# Allegro board BeagleBoard-X15_RevA2.brd (continued)
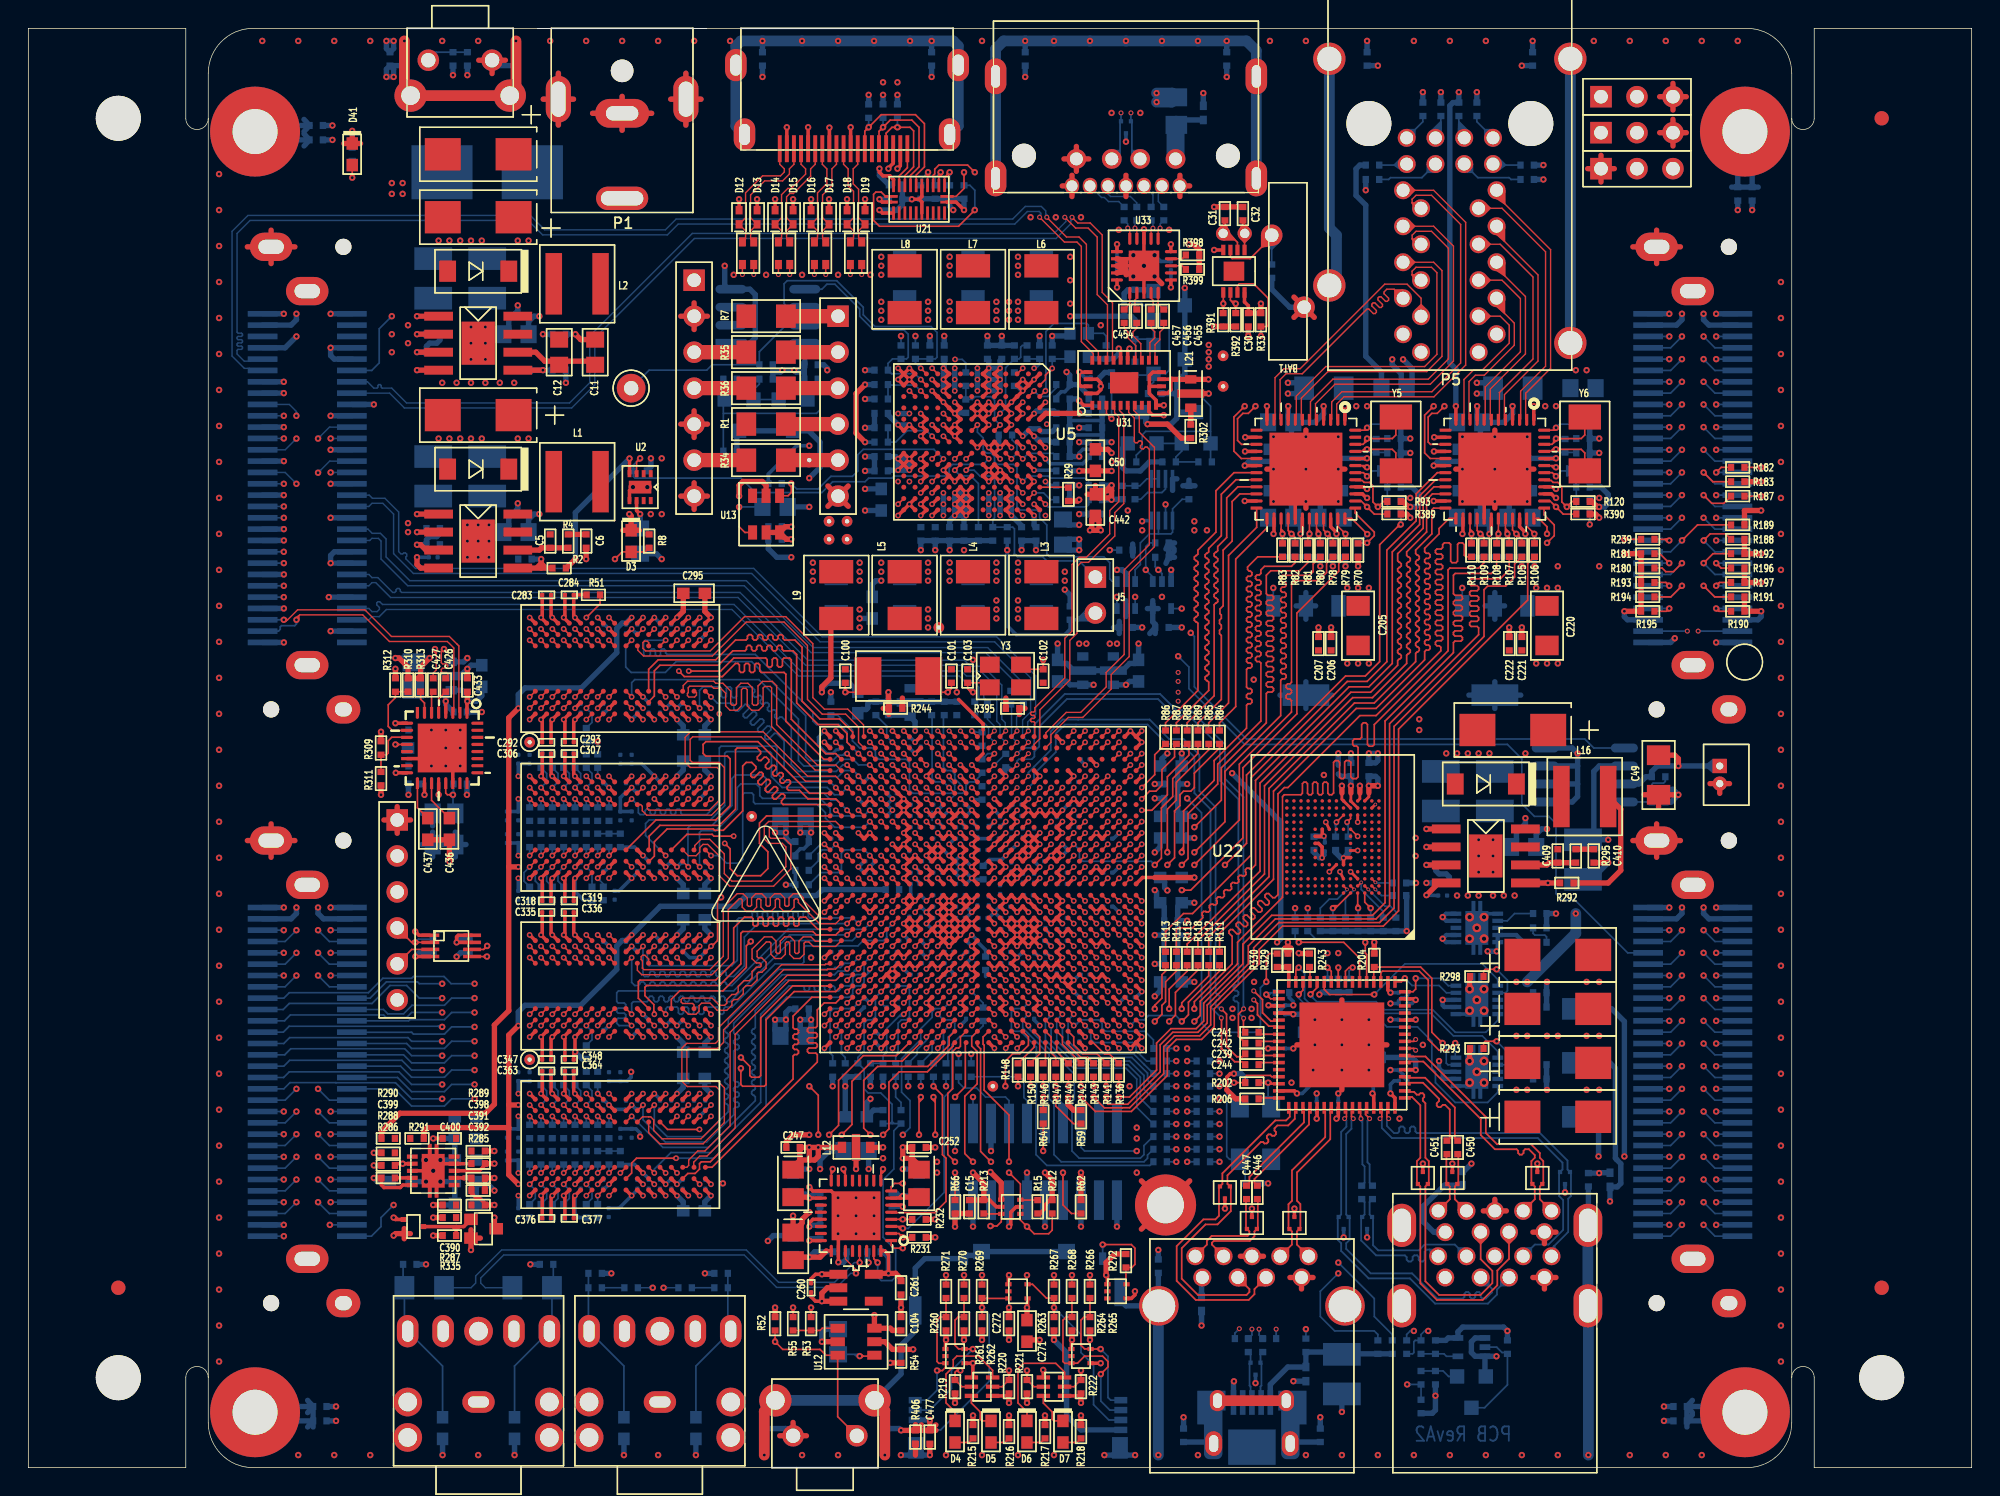
[diagram p0: board, top side]
## Footprints (pads in the part's own frame, mm; a bottom-side part is the same pattern mirrored in y, then rotated) (continued)
  oval 1.524x2.286 hole 0.787x1.499: MTG1(-7.239,-1.001) MTG2(7.239,-1.001) MTG3(-7.849,-5.9) MTG4(7.849,-5.9)
HDR2X30SMD_FX18-60P-0P8SV
  round 1.143 hole 1.143 unplated: (-16.325,-2.55) (16.325,2.55)
  rect 0.4x2.1 smd: 1(-11.6,-3.15) 2(-10.8,-3.15) 3(-10,-3.15) 4(-9.2,-3.15) 5(-8.4,-3.15) 6(-7.6,-3.15) 7(-6.8,-3.15) 8(-6,-3.15) 9(-5.2,-3.15) 10(-4.4,-3.15) 11(-3.6,-3.15) 12(-2.8,-3.15) 13(-2,-3.15) 14(-1.2,-3.15) 15(-0.4,-3.15) 16(0.4,-3.15) 17(1.2,-3.15) 18(2,-3.15) 19(2.8,-3.15) 20(3.6,-3.15) 21(4.4,-3.15) 22(5.2,-3.15) 23(6,-3.15) 24(6.8,-3.15) 25(7.6,-3.15) 26(8.4,-3.15) 27(9.2,-3.15) 28(10,-3.15) 29(10.8,-3.15) 30(11.6,-3.15) 31(-11.6,3.15) 32(-10.8,3.15) 33(-10,3.15) 34(-9.2,3.15) 35(-8.4,3.15) 36(-7.6,3.15) 37(-6.8,3.15) 38(-6,3.15) 39(-5.2,3.15) 40(-4.4,3.15) 41(-3.6,3.15) 42(-2.8,3.15) 43(-2,3.15) 44(-1.2,3.15) 45(-0.4,3.15) 46(0.4,3.15) 47(1.2,3.15) 48(2,3.15) 49(2.8,3.15) 50(3.6,3.15) 51(4.4,3.15) 52(5.2,3.15) 53(6,3.15) 54(6.8,3.15) 55(7.6,3.15) 56(8.4,3.15) 57(9.2,3.15) 58(10,3.15) 59(10.8,3.15) 60(11.6,3.15)
  oval 2x3 hole 1x1.8: A2(-16.325,2.55) B1(-13.2,0) B2(13.2,0)
  oval 2x2.4 hole 1x1.2: A3(16.325,-2.55)
HEADER10X2_SMD
  rect 0.711x2.794 smd: 1(-5.715,-2.705) 2(-5.715,2.705) 3(-4.445,-2.705) 4(-4.445,2.705) 5(-3.175,-2.705) 6(-3.175,2.705) 7(-1.905,-2.705) 8(-1.905,2.705) 9(-0.635,-2.705) 10(-0.635,2.705) 11(0.635,-2.705) 12(0.635,2.705) 13(1.905,-2.705) 14(1.905,2.705) 15(3.175,-2.705) 16(3.175,2.705) 17(4.445,-2.705) 18(4.445,2.705) 19(5.715,-2.705) 20(5.715,2.705)
IND130_160X175
  rect 1.651x2.413 smd: 1(-1.651,0) 2(1.651,0)
IND130_208X216
  rect 1.168x4.343 smd: 1(-1.651,0) 2(1.651,0)
IND_0805
  rect 1.27x1.524 smd: 1(-0.97,0) 2(0.97,0)
JACK5-472X551-SJ1-3524NG
  round 2.032 hole 1.321: (-2.5,5) (-2.5,-5) (0,5) (0,-5) (5,0)
  oval 2.286x1.524 hole 1.499x0.787: (5,2.5) 2(5,-5) 3(5,5) 4(5,-2.5)
  oval 1.524x2.286 hole 0.787x1.499: 1(0,0)
JACK_PJ-063BH
  round 1.6 hole 1.6 unplated: (0,0)
  oval 1.651x3.683 hole 1.016x2.997: 1(9,0)
  oval 2.032x3.81 hole 1.016x2.286: 2(3,0)
  oval 3.302x1.778 hole 2.489x1.016: MTG1(2,-4.5) MTG2(2,4.5)
LED_603
  rect 0.889x0.813 smd: 1(-0.762,0) 2(0.762,0)
MTGH200C102D_PL
  round 4.318 hole 2.591: 1(0,0)
MTGH250C125D_PL
  round 6.35 hole 3.175: 1(0,0)
OSC4_2P5X2P0XP5
  rect 0.9x0.8 smd: 1(-0.825,-0.65) 2(0.825,-0.65) 3(0.825,0.65) 4(-0.825,0.65)
OSC4_87-146SMD_126X197-1
  rect 1.524x1.27 smd: (-1.854,1.105) (1.854,-1.105) 1(-1.854,-1.105) 2(1.854,1.105)
QFN20S4X4P5-2
  custom 0.85x0.23 smd: 1(-1.9,1) 2(-1.9,0.5) 3(-1.9,0) 4(-1.9,-0.5) 5(-1.9,-1) 11(1.9,-1) 12(1.9,-0.5) 13(1.9,0) 14(1.9,0.5) 15(1.9,1)
  custom 0.23x0.85 smd: 6(-1,-1.9) 7(-0.5,-1.9) 8(0,-1.9) 9(0.5,-1.9) 10(1,-1.9) 16(1,1.9) 17(0.5,1.9) 18(0,1.9) 19(-0.5,1.9) 20(-1,1.9)
  rect 2.159x2.159 smd: 21(0,0)
QFN24S_2X4P4
  rect 0.95x0.2 smd: 1(-0.975,1.8) 2(-0.975,1.4) 3(-0.975,1) 4(-0.975,0.6) 5(-0.975,0.2) 6(-0.975,-0.2) 7(-0.975,-0.6) 8(-0.975,-1) 9(-0.975,-1.4) 10(-0.975,-1.8) 13(0.975,-1.8) 14(0.975,-1.4) 15(0.975,-1) 16(0.975,-0.6) 17(0.975,-0.2) 18(0.975,0.2) 19(0.975,0.6) 20(0.975,1) 21(0.975,1.4) 22(0.975,1.8)
  rect 0.2x0.95 smd: 11(-0.2,-1.975) 12(0.2,-1.975) 23(0.2,1.975) 24(-0.2,1.975)
QFN32
  custom 0.23x0.85 smd: 1(-1.75,-2.475) 2(-1.25,-2.475) 3(-0.75,-2.475) 4(-0.25,-2.475) 5(0.25,-2.475) 6(0.75,-2.475) 7(1.25,-2.475) 8(1.75,-2.475) 17(1.75,2.475) 18(1.25,2.475) 19(0.75,2.475) 20(0.25,2.475) 21(-0.25,2.475) 22(-0.75,2.475) 23(-1.25,2.475) 24(-1.75,2.475)
  custom 0.85x0.23 smd: 9(2.475,-1.75) 10(2.475,-1.25) 11(2.475,-0.75) 12(2.475,-0.25) 13(2.475,0.25) 14(2.475,0.75) 15(2.475,1.25) 16(2.475,1.75) 25(-2.475,1.75) 26(-2.475,1.25) 27(-2.475,0.75) 28(-2.475,0.25) 29(-2.475,-0.25) 30(-2.475,-0.75) 31(-2.475,-1.25) 32(-2.475,-1.75)
  rect 3.454x3.454 smd: 33(0,0)
QFN48
  custom 0.23x0.85 smd: 1(-2.75,-3.475) 2(-2.25,-3.475) 3(-1.75,-3.475) 4(-1.25,-3.475) 5(-0.75,-3.475) 6(-0.25,-3.475) 7(0.25,-3.475) 8(0.75,-3.475) 9(1.25,-3.475) 10(1.75,-3.475) 11(2.25,-3.475) 12(2.75,-3.475) 25(2.75,3.475) 26(2.25,3.475) 27(1.75,3.475) 28(1.25,3.475) 29(0.75,3.475) 30(0.25,3.475) 31(-0.25,3.475) 32(-0.75,3.475) 33(-1.25,3.475) 34(-1.75,3.475) 35(-2.25,3.475) 36(-2.75,3.475)
  custom 0.85x0.23 smd: 13(3.475,-2.75) 14(3.475,-2.25) 15(3.475,-1.75) 16(3.475,-1.25) 17(3.475,-0.75) 18(3.475,-0.25) 19(3.475,0.25) 20(3.475,0.75) 21(3.475,1.25) 22(3.475,1.75) 23(3.475,2.25) 24(3.475,2.75) 37(-3.475,2.75) 38(-3.475,2.25) 39(-3.475,1.75) 40(-3.475,1.25) 41(-3.475,0.75) 42(-3.475,0.25) 43(-3.475,-0.25) 44(-3.475,-0.75) 45(-3.475,-1.25) 46(-3.475,-1.75) 47(-3.475,-2.25) 48(-3.475,-2.75)
  rect 5.156x5.156 smd: 49(0,0)
RJ45_2X1_XFRM_LED
  round 3.175 hole 3.175 unplated: (-5.715,-16.14) (5.715,-16.14)
  round 1.27 hole 0.914: 1(-3.3,-11.43) 2(-2.03,-10.16) 3(-3.3,-8.89) 4(-2.03,-7.62) 5(-3.3,-6.35) 6(-2.03,-5.08) 7(-3.3,-3.81) 8(-2.03,-2.54) 9(-3.3,-1.27) 10(-2.03,0) 11(3.3,-11.43) 12(2.03,-10.16) 13(3.3,-8.89) 14(2.03,-7.62) 15(3.3,-6.35) 16(2.03,-5.08) 17(3.3,-3.81) 18(2.03,-2.54) 19(3.3,-1.27) 20(2.03,0) D1(3.045,-15.13) D2(1.015,-15.13) D3(-1.015,-15.13) D4(-3.045,-15.13) D5(3.045,-13.28) D6(1.015,-13.28) D7(-1.015,-13.28) D8(-3.045,-13.28)
  round 2.286 hole 1.702: SHLD1(-8.505,-20.71) SHLD2(8.505,-20.71) SHLD3(-8.505,-0.65) SHLD4(8.505,-4.71)
SC70
  rect 0.965x0.813 smd: 1(0,0) 2(0,-1.321) 3(1.778,-0.66)
SC70-5
  rect 0.406x0.762 smd: 1(-0.648,-0.953) 2(0,-0.953) 3(0.648,-0.953) 4(0.648,0.953) 5(-0.648,0.953)
SC70-6
  rect 0.406x0.762 smd: 1(-0.648,-0.953) 2(0,-0.953) 3(0.648,-0.953) 4(0.648,0.953) 5(0,0.953) 6(-0.648,0.953)
SC75
  rect 0.508x0.356 smd: 1(-0.647,0.5) 2(-0.647,-0.5) 3(0.647,0)
SD-MICRO-SCHA5B0300
  rect 0.914x0.457 smd: 1(-7.257,0) 2(-7.257,-0.7) 3(-7.257,-1.4) 4(-7.257,-2.1) 5(7.257,-2.1) 6(7.257,-1.4) 7(7.257,-0.7) 8(7.257,0)
  rect 0.508x0.889 smd: 9(3.775,9.989) 10(-5.975,9.989)
  rect 0.889x2.007 smd: 11(-7.25,7.635) 12(7.25,6.335)
  rect 1.118x1.524 smd: 13(-7.196,-3.365) 14(7.196,-3.365)
  rect 1.194x1.092 smd: 15(-3.425,10.488) 16(2.575,10.488)
SIP2
  rect 1.524x1.524 hole 0.965: 1(0,0)
  round 1.524 hole 0.965: 2(0,-2.54)
SIP3
  rect 1.524x1.524 hole 0.965: 1(0,0)
  round 1.524 hole 0.965: 2(0,-2.54) 3(0,-5.08)
SIP6
  rect 1.524x1.524 hole 0.965: 1(0,0)
  round 1.524 hole 0.965: 2(0,-2.54) 3(0,-5.08) 4(0,-7.62) 5(0,-10.16) 6(0,-12.7)
SIP7
  rect 1.524x1.524 hole 0.965: 1(0,0)
  round 1.524 hole 0.965: 2(0,-2.54) 3(0,-5.08) 4(0,-7.62) 5(0,-10.16) 6(0,-12.7) 7(0,-15.24)
SKTBGA-ZKK-6334-P760
  round 0.356 smd: A1(-10.8,10.8) A2(-10,10.8) A3(-9.2,10.8) A4(-8.4,10.8) A5(-7.6,10.8) A6(-6.8,10.8) A7(-6,10.8) A8(-5.2,10.8) A9(-4.4,10.8) A10(-3.6,10.8) A11(-2.8,10.8) A12(-2,10.8) A13(-1.2,10.8) A14(-0.4,10.8) A15(0.4,10.8) A16(1.2,10.8) A17(2,10.8) A18(2.8,10.8) A19(3.6,10.8) A20(4.4,10.8) A21(5.2,10.8) A22(6,10.8) A23(6.8,10.8) A24(7.6,10.8) A25(8.4,10.8) A26(9.2,10.8) A27(10,10.8) A28(10.8,10.8) AA1(-10.8,-5.2) AA2(-10,-5.2) AA3(-9.2,-5.2) AA4(-8.4,-5.2) AA5(-7.6,-5.2) AA6(-6.8,-5.2) AA7(-6,-5.2) AA8(-5.2,-5.2) AA9(-4.4,-5.2) AA10(-3.6,-5.2) AA11(-2.8,-5.2) AA12(-2,-5.2) AA13(-1.2,-5.2) AA14(-0.4,-5.2) AA15(0.4,-5.2) AA16(1.2,-5.2) AA17(2,-5.2) AA18(2.8,-5.2) AA19(3.6,-5.2) AA20(4.4,-5.2) AA21(5.2,-5.2) AA22(6,-5.2) AA23(6.8,-5.2) AA24(7.6,-5.2) AA25(8.4,-5.2) AA26(9.2,-5.2) AA27(10,-5.2) AA28(10.8,-5.2) AB1(-10.8,-6) AB2(-10,-6) AB3(-9.2,-6) AB4(-8.4,-6) AB5(-7.6,-6) AB6(-6.8,-6) AB7(-6,-6) AB8(-5.2,-6) AB9(-4.4,-6) AB10(-3.6,-6) AB11(-2.8,-6) AB12(-2,-6) AB13(-1.2,-6) AB14(-0.4,-6) AB15(0.4,-6) AB16(1.2,-6) AB17(2,-6) AB18(2.8,-6) AB19(3.6,-6) AB20(4.4,-6) AB21(5.2,-6) AB22(6,-6) AB23(6.8,-6) AB24(7.6,-6) AB25(8.4,-6) AB27(10,-6) AB28(10.8,-6) AC1(-10.8,-6.8) AC2(-10,-6.8) AC3(-9.2,-6.8) AC4(-8.4,-6.8) AC5(-7.6,-6.8) AC6(-6.8,-6.8) AC7(-6,-6.8) AC8(-5.2,-6.8) AC9(-4.4,-6.8) AC10(-3.6,-6.8) AC11(-2.8,-6.8) AC12(-2,-6.8) AC13(-1.2,-6.8) AC14(-0.4,-6.8) AC15(0.4,-6.8) AC16(1.2,-6.8) AC17(2,-6.8) AC18(2.8,-6.8) AC19(3.6,-6.8) AC20(4.4,-6.8) AC21(5.2,-6.8) AC22(6,-6.8) AC23(6.8,-6.8) AC24(7.6,-6.8) AC25(8.4,-6.8) AC26(9.2,-6.8) AC27(10,-6.8) AC28(10.8,-6.8) AD1(-10.8,-7.6) AD2(-10,-7.6) AD3(-9.2,-7.6) AD4(-8.4,-7.6) AD5(-7.6,-7.6) AD6(-6.8,-7.6) AD7(-6,-7.6) AD8(-5.2,-7.6) AD9(-4.4,-7.6) AD10(-3.6,-7.6) AD11(-2.8,-7.6) AD12(-2,-7.6) AD13(-1.2,-7.6) AD14(-0.4,-7.6) AD15(0.4,-7.6) AD16(1.2,-7.6) AD17(2,-7.6) AD18(2.8,-7.6) AD19(3.6,-7.6) AD20(4.4,-7.6) AD21(5.2,-7.6) AD22(6,-7.6) AD23(6.8,-7.6) AD24(7.6,-7.6) AD25(8.4,-7.6) AD26(9.2,-7.6) AD27(10,-7.6) AD28(10.8,-7.6) AE1(-10.8,-8.4) AE2(-10,-8.4) AE3(-9.2,-8.4) AE5(-7.6,-8.4) AE6(-6.8,-8.4) AE7(-6,-8.4) AE8(-5.2,-8.4) AE9(-4.4,-8.4) AE10(-3.6,-8.4) AE11(-2.8,-8.4) AE12(-2,-8.4) AE13(-1.2,-8.4) AE14(-0.4,-8.4) AE15(0.4,-8.4) AE16(1.2,-8.4) AE17(2,-8.4) AE18(2.8,-8.4) AE19(3.6,-8.4) AE20(4.4,-8.4) AE21(5.2,-8.4) AE22(6,-8.4) AE23(6.8,-8.4) AE24(7.6,-8.4) AE26(9.2,-8.4) AE27(10,-8.4) AE28(10.8,-8.4) AF1(-10.8,-9.2) AF2(-10,-9.2) AF3(-9.2,-9.2) AF4(-8.4,-9.2) AF5(-7.6,-9.2) AF6(-6.8,-9.2) AF8(-5.2,-9.2) AF9(-4.4,-9.2) AF11(-2.8,-9.2) AF12(-2,-9.2) AF14(-0.4,-9.2) AF15(0.4,-9.2) AF17(2,-9.2) AF18(2.8,-9.2) AF20(4.4,-9.2) AF21(5.2,-9.2) AF22(6,-9.2) AF23(6.8,-9.2) AF24(7.6,-9.2) AF25(8.4,-9.2) AF26(9.2,-9.2) AF27(10,-9.2) AF28(10.8,-9.2) AG1(-10.8,-10) AG2(-10,-10) AG3(-9.2,-10) AG4(-8.4,-10) AG5(-7.6,-10) AG6(-6.8,-10) AG7(-6,-10) AG8(-5.2,-10) AG9(-4.4,-10) AG10(-3.6,-10) AG11(-2.8,-10) AG12(-2,-10) AG13(-1.2,-10) AG14(-0.4,-10) AG15(0.4,-10) AG16(1.2,-10) AG17(2,-10) AG18(2.8,-10) AG19(3.6,-10) AG20(4.4,-10) AG21(5.2,-10) AG22(6,-10) AG23(6.8,-10) AG24(7.6,-10) AG25(8.4,-10) AG26(9.2,-10) AG27(10,-10) AG28(10.8,-10) AH1(-10.8,-10.8) AH2(-10,-10.8) AH3(-9.2,-10.8) AH4(-8.4,-10.8) AH5(-7.6,-10.8) AH6(-6.8,-10.8) AH7(-6,-10.8) AH8(-5.2,-10.8) AH9(-4.4,-10.8) AH10(-3.6,-10.8) AH11(-2.8,-10.8) AH12(-2,-10.8) AH13(-1.2,-10.8) AH14(-0.4,-10.8) AH15(0.4,-10.8) AH16(1.2,-10.8) AH17(2,-10.8) AH18(2.8,-10.8) AH19(3.6,-10.8) AH20(4.4,-10.8) AH21(5.2,-10.8) AH22(6,-10.8) AH23(6.8,-10.8) AH24(7.6,-10.8) AH25(8.4,-10.8) AH26(9.2,-10.8) AH27(10,-10.8) AH28(10.8,-10.8) B1(-10.8,10) B2(-10,10) B3(-9.2,10) B4(-8.4,10) B5(-7.6,10) B6(-6.8,10) B7(-6,10) B8(-5.2,10) B9(-4.4,10) B10(-3.6,10) B11(-2.8,10) B12(-2,10) B13(-1.2,10) B14(-0.4,10) B15(0.4,10) B16(1.2,10) B17(2,10) B18(2.8,10) B19(3.6,10) B20(4.4,10) B21(5.2,10) B22(6,10) B23(6.8,10) B24(7.6,10) B25(8.4,10) B26(9.2,10) B27(10,10) B28(10.8,10) C1(-10.8,9.2) C2(-10,9.2) C3(-9.2,9.2) C4(-8.4,9.2) C5(-7.6,9.2) C6(-6.8,9.2) C7(-6,9.2) C8(-5.2,9.2) C9(-4.4,9.2) C11(-2.8,9.2) C12(-2,9.2) C14(-0.4,9.2) C15(0.4,9.2) C17(2,9.2) C18(2.8,9.2) C20(4.4,9.2) C21(5.2,9.2) C23(6.8,9.2) C24(7.6,9.2) C25(8.4,9.2) C26(9.2,9.2) C27(10,9.2) C28(10.8,9.2) D1(-10.8,8.4) D2(-10,8.4) D3(-9.2,8.4) D5(-7.6,8.4) D6(-6.8,8.4) D7(-6,8.4) D8(-5.2,8.4) D9(-4.4,8.4) D10(-3.6,8.4) D11(-2.8,8.4) D12(-2,8.4) D13(-1.2,8.4) D14(-0.4,8.4) D15(0.4,8.4) D16(1.2,8.4) D17(2,8.4) D18(2.8,8.4) D19(3.6,8.4) D20(4.4,8.4) D21(5.2,8.4) D22(6,8.4) D23(6.8,8.4) D24(7.6,8.4) D26(9.2,8.4) D27(10,8.4) D28(10.8,8.4) E1(-10.8,7.6) E2(-10,7.6) E3(-9.2,7.6) E4(-8.4,7.6) E5(-7.6,7.6) E6(-6.8,7.6) E7(-6,7.6) E8(-5.2,7.6) E9(-4.4,7.6) E10(-3.6,7.6) E11(-2.8,7.6) E12(-2,7.6) E13(-1.2,7.6) E14(-0.4,7.6) E15(0.4,7.6) E16(1.2,7.6) E17(2,7.6) E18(2.8,7.6) E19(3.6,7.6) E20(4.4,7.6) E21(5.2,7.6) E22(6,7.6) E23(6.8,7.6) E24(7.6,7.6) E25(8.4,7.6) E26(9.2,7.6) E27(10,7.6) E28(10.8,7.6) F1(-10.8,6.8) F2(-10,6.8) F3(-9.2,6.8) F4(-8.4,6.8) F5(-7.6,6.8) F6(-6.8,6.8) F7(-6,6.8) F8(-5.2,6.8) F9(-4.4,6.8) F10(-3.6,6.8) F11(-2.8,6.8) F12(-2,6.8) F13(-1.2,6.8) F14(-0.4,6.8) F15(0.4,6.8) F16(1.2,6.8) F17(2,6.8) F18(2.8,6.8) F19(3.6,6.8) F20(4.4,6.8) F21(5.2,6.8) F22(6,6.8) F23(6.8,6.8) F24(7.6,6.8) F25(8.4,6.8) F26(9.2,6.8) F27(10,6.8) F28(10.8,6.8) G1(-10.8,6) G2(-10,6) G4(-8.4,6) G5(-7.6,6) G6(-6.8,6) G7(-6,6) G8(-5.2,6) G9(-4.4,6) G10(-3.6,6) G11(-2.8,6) G12(-2,6) G13(-1.2,6) G14(-0.4,6) G15(0.4,6) G16(1.2,6) G17(2,6) G18(2.8,6) G19(3.6,6) G20(4.4,6) G21(5.2,6) G22(6,6) G23(6.8,6) G24(7.6,6) G25(8.4,6) G26(9.2,6) G27(10,6) G28(10.8,6) H1(-10.8,5.2) H2(-10,5.2) H3(-9.2,5.2) H4(-8.4,5.2) H5(-7.6,5.2) H6(-6.8,5.2) H7(-6,5.2) H8(-5.2,5.2) H9(-4.4,5.2) H10(-3.6,5.2) H11(-2.8,5.2) H12(-2,5.2) H13(-1.2,5.2) H14(-0.4,5.2) H15(0.4,5.2) H16(1.2,5.2) H17(2,5.2) H18(2.8,5.2) H19(3.6,5.2) H20(4.4,5.2) H21(5.2,5.2) H22(6,5.2) H23(6.8,5.2) H24(7.6,5.2) H25(8.4,5.2) H26(9.2,5.2) H27(10,5.2) H28(10.8,5.2) J1(-10.8,4.4) J2(-10,4.4) J3(-9.2,4.4) J4(-8.4,4.4) J5(-7.6,4.4) J6(-6.8,4.4) J7(-6,4.4) J8(-5.2,4.4) J9(-4.4,4.4) J10(-3.6,4.4) J11(-2.8,4.4) J12(-2,4.4) J13(-1.2,4.4) J14(-0.4,4.4) J15(0.4,4.4) J16(1.2,4.4) J17(2,4.4) J18(2.8,4.4) J19(3.6,4.4) J20(4.4,4.4) J21(5.2,4.4) J22(6,4.4) J23(6.8,4.4) J24(7.6,4.4) J25(8.4,4.4) J26(9.2,4.4) J27(10,4.4) J28(10.8,4.4) K1(-10.8,3.6) K2(-10,3.6) K4(-8.4,3.6) K5(-7.6,3.6) K6(-6.8,3.6) K7(-6,3.6) K8(-5.2,3.6) K9(-4.4,3.6) K10(-3.6,3.6) K11(-2.8,3.6) K12(-2,3.6) K13(-1.2,3.6) K14(-0.4,3.6) K15(0.4,3.6) K16(1.2,3.6) K17(2,3.6) K18(2.8,3.6) K19(3.6,3.6) K20(4.4,3.6) K21(5.2,3.6) K22(6,3.6) K23(6.8,3.6) K24(7.6,3.6) K25(8.4,3.6) K27(10,3.6) K28(10.8,3.6) L1(-10.8,2.8) L2(-10,2.8) L3(-9.2,2.8) L4(-8.4,2.8) L5(-7.6,2.8) L6(-6.8,2.8) L7(-6,2.8) L8(-5.2,2.8) L9(-4.4,2.8) L10(-3.6,2.8) L11(-2.8,2.8) L12(-2,2.8) L13(-1.2,2.8) L14(-0.4,2.8) L15(0.4,2.8) L16(1.2,2.8) L17(2,2.8) L18(2.8,2.8) L19(3.6,2.8) L20(4.4,2.8) L21(5.2,2.8) L22(6,2.8) L23(6.8,2.8) L24(7.6,2.8) L25(8.4,2.8) L26(9.2,2.8) L27(10,2.8) L28(10.8,2.8) M1(-10.8,2) M2(-10,2) M3(-9.2,2) M4(-8.4,2) M5(-7.6,2) M6(-6.8,2) M7(-6,2) M8(-5.2,2) M9(-4.4,2) M10(-3.6,2) M11(-2.8,2) M12(-2,2) M13(-1.2,2) M14(-0.4,2) M15(0.4,2) M16(1.2,2) M17(2,2) M18(2.8,2) M19(3.6,2) M20(4.4,2) M21(5.2,2) M22(6,2) M23(6.8,2) M24(7.6,2) M25(8.4,2) M26(9.2,2) M27(10,2) M28(10.8,2) N1(-10.8,1.2) N2(-10,1.2) N4(-8.4,1.2) N5(-7.6,1.2) N6(-6.8,1.2) N7(-6,1.2) N8(-5.2,1.2) N9(-4.4,1.2) N10(-3.6,1.2) N11(-2.8,1.2) N12(-2,1.2) N13(-1.2,1.2) N14(-0.4,1.2) N15(0.4,1.2) N16(1.2,1.2) N17(2,1.2) N18(2.8,1.2) N19(3.6,1.2) N20(4.4,1.2) N21(5.2,1.2) N22(6,1.2) N23(6.8,1.2) N24(7.6,1.2) N25(8.4,1.2) N27(10,1.2) N28(10.8,1.2) P1(-10.8,0.4) P2(-10,0.4) P3(-9.2,0.4) P4(-8.4,0.4) P5(-7.6,0.4) P6(-6.8,0.4) P7(-6,0.4) P8(-5.2,0.4) P9(-4.4,0.4) P10(-3.6,0.4) P11(-2.8,0.4) P12(-2,0.4) P13(-1.2,0.4) P14(-0.4,0.4) P15(0.4,0.4) P16(1.2,0.4) P17(2,0.4) P18(2.8,0.4) P19(3.6,0.4) P20(4.4,0.4) P21(5.2,0.4) P22(6,0.4) P23(6.8,0.4) P24(7.6,0.4) P25(8.4,0.4) P26(9.2,0.4) P27(10,0.4) P28(10.8,0.4) R1(-10.8,-0.4) R2(-10,-0.4) R3(-9.2,-0.4) R4(-8.4,-0.4) R5(-7.6,-0.4) R6(-6.8,-0.4) R7(-6,-0.4) R8(-5.2,-0.4) R9(-4.4,-0.4) R10(-3.6,-0.4) R11(-2.8,-0.4) R12(-2,-0.4) R13(-1.2,-0.4) R14(-0.4,-0.4) R15(0.4,-0.4) R16(1.2,-0.4) R17(2,-0.4) R18(2.8,-0.4) R19(3.6,-0.4) R20(4.4,-0.4) R21(5.2,-0.4) R22(6,-0.4) R23(6.8,-0.4) R24(7.6,-0.4) R25(8.4,-0.4) R26(9.2,-0.4) R27(10,-0.4) R28(10.8,-0.4) T1(-10.8,-1.2) T2(-10,-1.2) T4(-8.4,-1.2) T5(-7.6,-1.2) T6(-6.8,-1.2) T7(-6,-1.2) T8(-5.2,-1.2) T9(-4.4,-1.2) T10(-3.6,-1.2) T11(-2.8,-1.2) T12(-2,-1.2) T13(-1.2,-1.2) T14(-0.4,-1.2) T15(0.4,-1.2) T16(1.2,-1.2) T17(2,-1.2) T18(2.8,-1.2) T19(3.6,-1.2) T20(4.4,-1.2) T21(5.2,-1.2) T22(6,-1.2) T23(6.8,-1.2) T24(7.6,-1.2) T25(8.4,-1.2) T27(10,-1.2) T28(10.8,-1.2) U1(-10.8,-2) U2(-10,-2) U3(-9.2,-2) U4(-8.4,-2) U5(-7.6,-2) U6(-6.8,-2) U7(-6,-2) U8(-5.2,-2) U9(-4.4,-2) U10(-3.6,-2) U11(-2.8,-2) U12(-2,-2) U13(-1.2,-2) U14(-0.4,-2) U15(0.4,-2) U16(1.2,-2) U17(2,-2) U18(2.8,-2) U19(3.6,-2) U20(4.4,-2) U21(5.2,-2) U22(6,-2) U23(6.8,-2) U24(7.6,-2) U25(8.4,-2) U26(9.2,-2) U27(10,-2) U28(10.8,-2) V1(-10.8,-2.8) V2(-10,-2.8) V3(-9.2,-2.8) V4(-8.4,-2.8) V5(-7.6,-2.8) V6(-6.8,-2.8) V7(-6,-2.8) V8(-5.2,-2.8) V9(-4.4,-2.8) V10(-3.6,-2.8) V11(-2.8,-2.8) V12(-2,-2.8) V13(-1.2,-2.8) V14(-0.4,-2.8) V15(0.4,-2.8) V16(1.2,-2.8) V17(2,-2.8) V18(2.8,-2.8) V19(3.6,-2.8) V20(4.4,-2.8) V21(5.2,-2.8) V22(6,-2.8) V23(6.8,-2.8) V24(7.6,-2.8) V25(8.4,-2.8) V26(9.2,-2.8) V27(10,-2.8) V28(10.8,-2.8) W1(-10.8,-3.6) W2(-10,-3.6) W4(-8.4,-3.6) W5(-7.6,-3.6) W6(-6.8,-3.6) W7(-6,-3.6) W8(-5.2,-3.6) W9(-4.4,-3.6) W10(-3.6,-3.6) W11(-2.8,-3.6) W12(-2,-3.6) W13(-1.2,-3.6) W14(-0.4,-3.6) W15(0.4,-3.6) W16(1.2,-3.6) W17(2,-3.6) W18(2.8,-3.6) W19(3.6,-3.6) W20(4.4,-3.6) W21(5.2,-3.6) W22(6,-3.6) W23(6.8,-3.6) W24(7.6,-3.6) W25(8.4,-3.6) W27(10,-3.6) W28(10.8,-3.6) Y1(-10.8,-4.4) Y2(-10,-4.4) Y3(-9.2,-4.4) Y4(-8.4,-4.4) Y5(-7.6,-4.4) Y6(-6.8,-4.4) Y7(-6,-4.4) Y8(-5.2,-4.4) Y9(-4.4,-4.4) Y10(-3.6,-4.4) Y11(-2.8,-4.4) Y12(-2,-4.4) Y13(-1.2,-4.4) Y14(-0.4,-4.4) Y15(0.4,-4.4) Y16(1.2,-4.4) Y17(2,-4.4) Y18(2.8,-4.4) Y19(3.6,-4.4) Y20(4.4,-4.4) Y21(5.2,-4.4) Y22(6,-4.4) Y23(6.8,-4.4) Y24(7.6,-4.4) Y25(8.4,-4.4) Y26(9.2,-4.4) Y27(10,-4.4) Y28(10.8,-4.4)
SMINI6-F3-B
  rect 0.305x0.95 smd: 1(0.65,0.75) 2(0,0.75) 3(-0.65,0.75) 4(-0.65,-0.75) 5(0,-0.75) 6(0.65,-0.75)
SO8-25X75
  oval 0.635x1.905 smd: 1(-1.905,-2.794) 2(-0.635,-2.794) 3(0.635,-2.794) 4(1.905,-2.794) 5(1.905,2.794) 6(0.635,2.794) 7(-0.635,2.794) 8(-1.905,2.794)
SOIC_8
  rect 0.61x2.184 smd: 1(-1.905,-2.603)
  oval 0.61x2.184 smd: 2(-0.635,-2.603) 3(0.635,-2.603) 4(1.905,-2.603) 5(1.905,2.603) 6(0.635,2.603) 7(-0.635,2.603) 8(-1.905,2.603)
SOT3_DRT_1P0XP8MM
  rect 0.3x0.3 smd: 1(-0.35,-0.425) 2(0.35,-0.425) 3(0,0.425)
SOT23-3
  rect 1.016x1.016 smd: 1(-1.016,-1.105) 2(1.016,-1.105) 3(0,1.105)
SOT23-5
  rect 0.635x1.27 smd: 1(-0.95,-1.25) 2(0,-1.25) 3(0.95,-1.25) 4(0.95,1.25) 5(-0.95,1.25)
SOT23-6
  rect 0.635x1.016 smd: 1(-0.953,-1.295) 2(0,-1.295) 3(0.953,-1.295) 4(0.953,1.295) 5(0,1.295) 6(-0.953,1.295)
SOT223-1
  rect 1.016x1.524 smd: 1(-2.3,-4.318) 2(0,-4.318) 3(2.3,-4.318)
  rect 3.302x1.524 smd: 4(0,1.982)
SOT563
  rect 0.3x0.45 smd: 1(-0.5,-0.675) 2(0,-0.675) 3(0.5,-0.675) 4(0.5,0.675) 5(0,0.675) 6(-0.5,0.675)
SOT-23
  rect 1.016x1.016 smd: 1(-1.016,-1.105) 2(1.016,-1.105) 3(0,1.105)
SW4_EVQF004R
  round 1.524 hole 1.016: 1(0,0) 2(4.5,0)
  round 2.286 hole 1.321: 3(-1.25,2.5) 4(5.75,2.5)
TP1-8040
  round 2.032 hole 1.016: 1(0,0)
TP30C12D
  round 0.762 hole 0.305: 1(0,0)
TQFN28S_3P5X5P5P5
  rect 1.5x2 smd: (0,0)
  rect 0.63x0.28 smd: 1(-1.59,2.25) 2(-1.59,1.75) 3(-1.59,1.25) 4(-1.59,0.75) 5(-1.59,0.25) 6(-1.59,-0.25) 7(-1.59,-0.75) 8(-1.59,-1.25) 9(-1.59,-1.75) 10(-1.59,-2.25) 15(1.59,-2.25) 16(1.59,-1.75) 17(1.59,-1.25) 18(1.59,-0.75) 19(1.59,-0.25) 20(1.59,0.25) 21(1.59,0.75) 22(1.59,1.25) 23(1.59,1.75) 24(1.59,2.25)
  rect 0.28x0.63 smd: 11(-0.75,-2.64) 12(-0.25,-2.64) 13(0.25,-2.64) 14(0.75,-2.64) 25(0.75,2.54) 26(0.25,2.54) 27(-0.25,2.54) 28(-0.75,2.54)
U_5_DRL
  rect 0.3x0.45 smd: 1(-0.5,-0.675) 2(0,-0.675) 3(0.5,-0.675) 4(0.5,0.675) 5(-0.5,0.675)
U_8_DCU
  rect 0.254x1.27 smd: 1(-0.749,-1.473) 2(-0.249,-1.473) 3(0.249,-1.473) 4(0.749,-1.473) 5(0.749,1.473) 6(0.249,1.473) 7(-0.249,1.473) 8(-0.749,1.473)
unnamed#2
  round 3.175 hole 3.175 unplated: (0,0)
unnamed#3
  round 1.016 smd: 1(0,0)
USB5_FCI-10103594
  rect 1.75x0.4 smd: 1(0,1.3) 2(0,0.65) 3(0,0) 4(0,-0.65) 5(0,-1.3)
  oval 1.75x1.2 hole 1.2x0.65: S1(-2.9,2.7) S3(-2.9,-2.7)
  oval 1.5x1.1 hole 1.05x0.65: S2(0.13,2.422) S4(0.13,-2.428)
USB9RA_2SHIELDED
  round 1.27 hole 0.914: 1(0,0) 2(2.5,0) 3(4.5,0) 4(7,0) 5(7.5,1.5) 6(5.5,1.5) 7(3.5,1.5) 8(1.5,1.5) 9(-0.5,1.5)
  round 2.794 hole 2.311: 10(-3.07,-2) 11(10.07,-2)
USB18RA_4SHIELDED
  round 1.27 hole 0.914: 1(0,0) 2(2.5,0) 3(4.5,0) 4(7,0) 5(7.5,1.5) 6(5.5,1.5) 7(3.5,1.5) 8(1.5,1.5) 9(-0.5,1.5) 10(0,3.2) 11(2.5,3.2) 12(4.5,3.2) 13(7,3.2) 14(7.5,4.7) 15(5.5,4.7) 16(3.5,4.7) 17(1.5,4.7) 18(-0.5,4.7)
  oval 2.032x3.048 hole 1.27x2.362: 19(-3.07,-2) 20(10.07,-2) 21(-3.07,3.68) 22(10.07,3.68)
VQFN64S9X9P5
  rect 0.838x0.254 smd: 1(-4.445,3.749) 2(-4.445,3.249) 3(-4.445,2.748) 4(-4.445,2.25) 5(-4.445,1.75) 6(-4.445,1.25) 7(-4.445,0.749) 8(-4.445,0.249) 9(-4.445,-0.249) 10(-4.445,-0.749) 11(-4.445,-1.25) 12(-4.445,-1.75) 13(-4.445,-2.25) 14(-4.445,-2.748) 15(-4.445,-3.249) 16(-4.445,-3.749) 33(4.445,-3.749) 34(4.445,-3.249) 35(4.445,-2.748) 36(4.445,-2.25) 37(4.445,-1.75) 38(4.445,-1.25) 39(4.445,-0.749) 40(4.445,-0.249) 41(4.445,0.249) 42(4.445,0.749) 43(4.445,1.25) 44(4.445,1.75) 45(4.445,2.25) 46(4.445,2.748) 47(4.445,3.249) 48(4.445,3.749)
  rect 0.254x0.838 smd: 17(-3.749,-4.445) 18(-3.249,-4.445) 19(-2.748,-4.445) 20(-2.25,-4.445) 21(-1.75,-4.445) 22(-1.25,-4.445) 23(-0.749,-4.445) 24(-0.249,-4.445) 25(0.249,-4.445) 26(0.749,-4.445) 27(1.25,-4.445) 28(1.75,-4.445) 29(2.25,-4.445) 30(2.748,-4.445) 31(3.249,-4.445) 32(3.749,-4.445) 49(3.749,4.445) 50(3.249,4.445) 51(2.748,4.445) 52(2.25,4.445) 53(1.75,4.445) 54(1.25,4.445) 55(0.749,4.445) 56(0.249,4.445) 57(-0.249,4.445) 58(-0.749,4.445) 59(-1.25,4.445) 60(-1.75,4.445) 61(-2.25,4.445) 62(-2.748,4.445) 63(-3.249,4.445) 64(-3.749,4.445)
  rect 5.994x5.994 smd: 65(0,0)
WSON-8
  rect 0.28x0.5 smd: 1(-0.75,-0.95) 2(-0.25,-0.95) 3(0.25,-0.95) 4(0.75,-0.95) 5(0.75,0.95) 6(0.25,0.95) 7(-0.25,0.95) 8(-0.75,0.95)
  rect 1.6x0.9 smd: 9(0,0)
XTAL2_6X3P5_SMD
  rect 1.905x2.667 smd: 1(-2.146,0) 2(2.146,0)
XTAL4_3P2X2P5_SMD
  rect 1.397x1.143 smd: 1(-1.1,-0.8) 2(1.1,-0.8) 3(1.1,0.8) 4(-1.1,0.8)
XTAL_3P2X5SMD
  rect 1.778x2.286 smd: 1(-1.9,0) 2(1.9,0)
XTAL_CFS-206
  round 1.016 hole 0.66: 1(0,0.762) 2(0,-0.762)

## Nets
3V3_CDC: C428.1 C429.1 C432.1 C434.1 L23.2 U7.9(VDD3) U7.16(VDD4) U7.18(VDD5) U7.20(VDD6)
3V3_RC: C11.2 R12.1
5V0: C17.2 C20.2 C264.1 P3.4 P16.B2 P17.B2 P18.B2 P19.B2 R1.2 R2.1 R215.1 R216.1 R217.1 R218.1 R241.1 R242.2 U2.4(VBIAS) U5.A6(LDO12_IN) U5.A9(LDOUSB_IN2) U5.A10(LDO7USB_IN1) U21.10(VCC_5V)
5V0_COMP: C5.2 R4.1 U1.6(COMP)
5V0_RC: C6.1 R4.2
5V0_SNS: R2.2 R5.2 U1.5(VSNS)
5V0_TAP: C2.1 L1.2 P2.5 R1.1
5V_FAN: C49.1 J1.1 R396.1 U32.3(OUT)
12V: C3.1 C14.1 C402.1 C438.1 C439.1 C440.1 C445.1 F1.2 P2.1 P16.B1 P17.B1 P18.B1 P19.B1 R3.1 R9.1 R240.1 U1.2(VIN) U3.2(VIN) U28.2(VIN) U32.2(IN)
12V_MAIN: F1.1 P1.1
